# KiCad board FC_V5d_Production.kicad_pcb (continued)
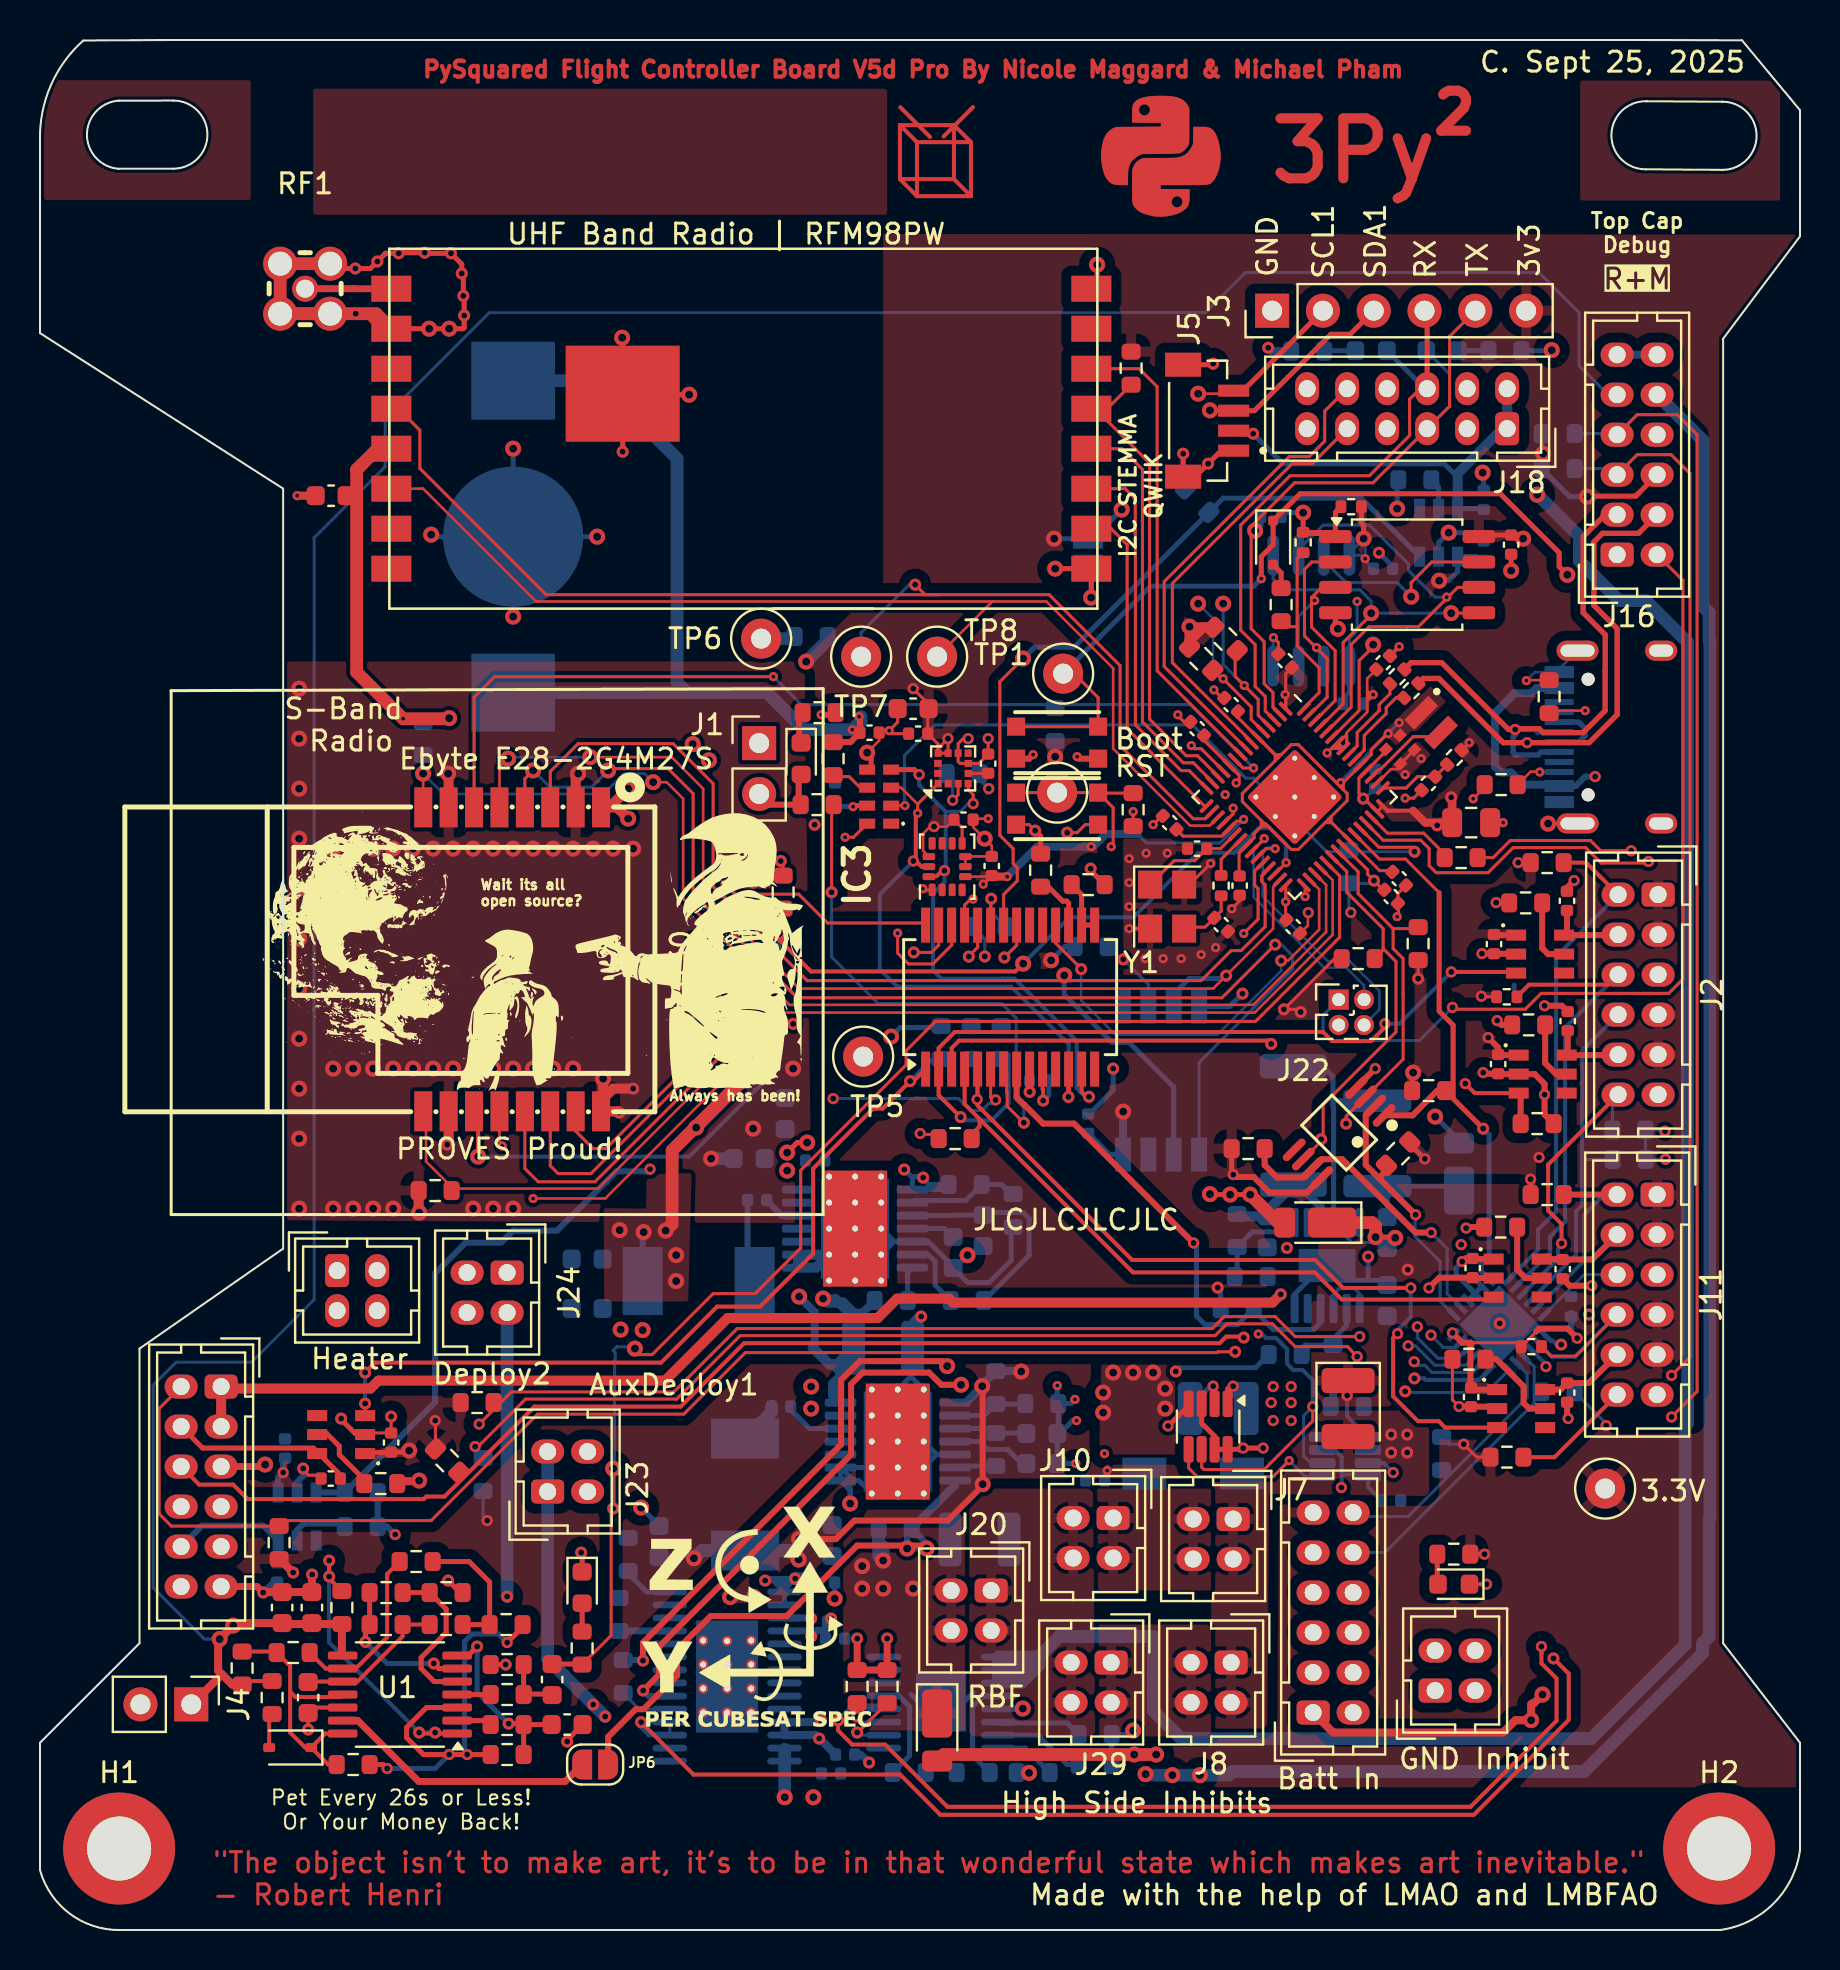
[diagram p0: board, top side]
## Text on the board (continued)
F.Silkscreen: Wait its all / open source? | Always has been! | Pet Every 26s or Less! / Or Your Money Back! | Top Cap / Debug | I2C STEMMA / QWIIK | Heater | PROVES Proud! | Ebyte E28-2G4M27S | Deploy2 | AuxDeploy1 | RBF | JLCJLCJLCJLC | High Side Inhibits | Made with the help of LMAO and LMBFAO | Boot | RST | Batt In | GND Inhibit | C. Sept 25, 2025 | S-Band / Radio | UHF Band Radio | RFM98PW | R+M | 3.3V | GND | SCL1 | SDA1 | RX | TX | 3v3
